# Altium PCB PCB1.PcbDoc (part 1 of 2)
Units mil, origin at the board's own origin, x right, y up, seen from the top; angles counter-clockwise.
Board outline 1320 x 1740 mil, 2 copper layers (Top Layer, Bottom Layer); 290 components, 29 nets, 1040 pads, 0 vias.
Unrouted connection lines stored in the file: 156.
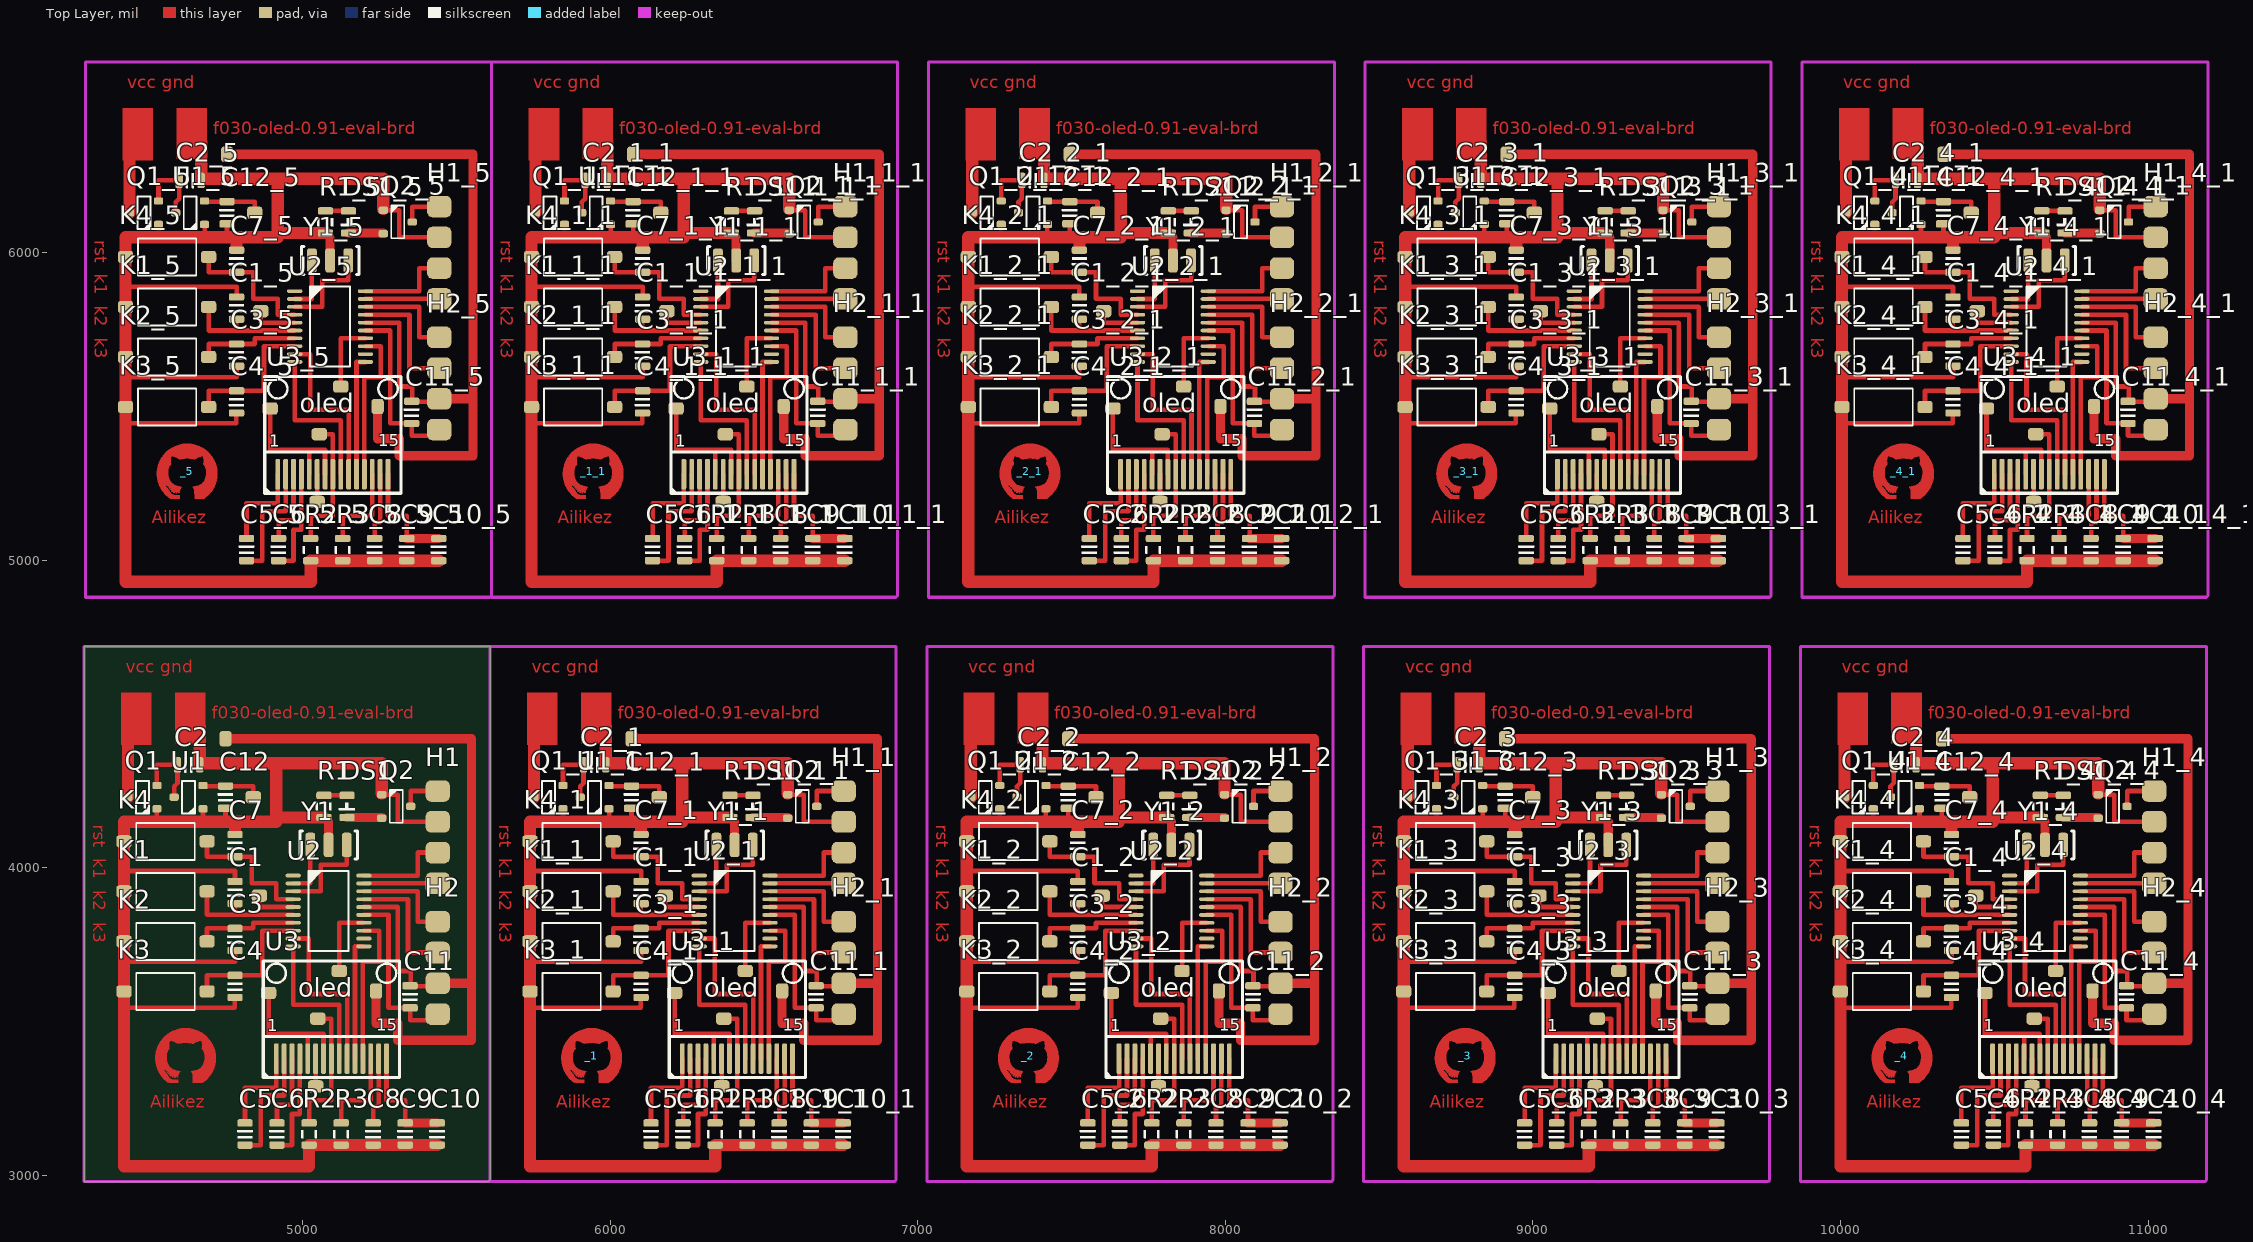
[diagram p0: Top Layer view]
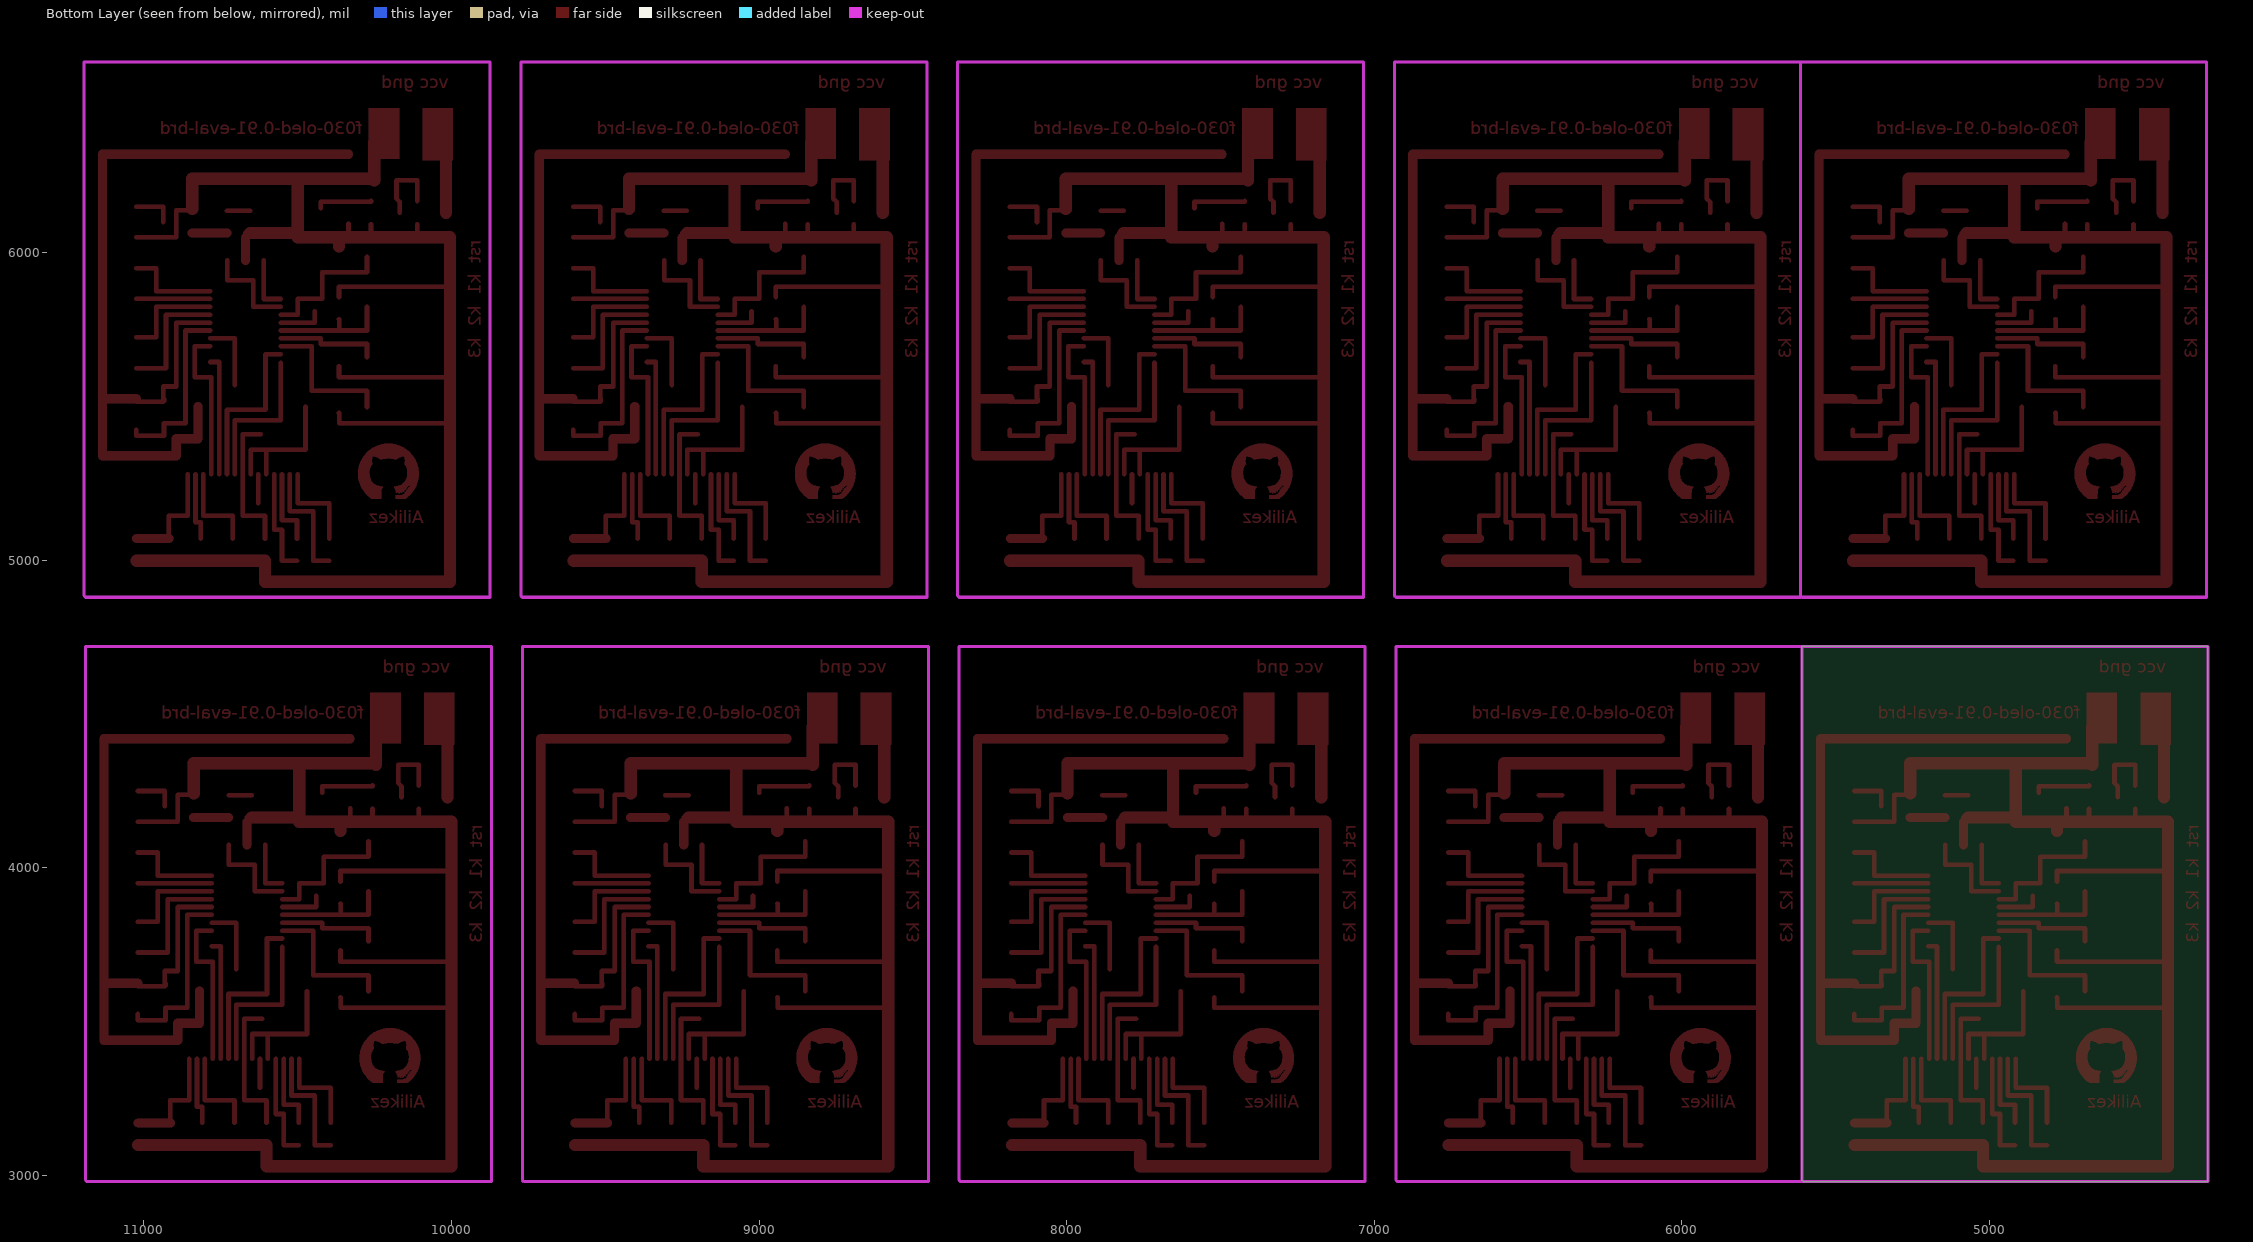
[diagram p1: Bottom Layer view, seen from below]

## Layer stack, top to bottom
Top Solder: solder mask 0.4, Solder Resist, Dk 3.5
Top Layer: signal copper 1.4
Dielectric 1: dielectric 12.6, FR-4, Dk 4.8
Bottom Layer: signal copper 1.4
Bottom Solder: solder mask 0.4, Solder Resist, Dk 3.5

## Board outline
4290,2980 5605,2980 5610,2985 5610,4720 4290,4720

## Design rules (kind name [scope] priority, off if disabled: settings)
Clearance [All] p1: gap=6 ignorepadtopadclearanceinfootprint=FALSE
ComponentClearance [All] p1: gap=0 collisioncheckmode=3 verticalgap=0 showdistances=FALSE
PolygonConnect [All] p1: connectstyle=Relief reliefconductorwidth=10 reliefentries=4 polygonreliefangle="90 Angle" airgapwidth=10
RoutingVias [All] p1: holewidth=28 width=50 viastyle="Through Hole" minholewidth=28 minwidth=50 maxholewidth=28 maxwidth=50
SolderMaskExpansion [All] p1: expansion=4
Width [All] p1: maxlimit=100 minlimit=6 preferedwidth=15
29 further rules are at their usual default settings.

## Components (designator, comment, footprint, x,y, rotation, side; value= is the part's Value field where it differs from the comment)
_1 "" IMAGE 5940,3390 r0 top
_1_1 "" IMAGE 5945,5290 r0 top
_2 "" IMAGE 7360,3390 r0 top
_2_1 "" IMAGE 7365,5290 r0 top
_3 "" IMAGE 8780,3390 r0 top
_3_1 "" IMAGE 8785,5290 r0 top
_4 "" IMAGE 10200,3390 r0 top
_4_1 "" IMAGE 10205,5290 r0 top
_5 "" IMAGE 4625,5290 r0 top
C1 "HDR2x10_2.54" CAP_0805 4781,3920 r90 top value=0.1uf
C1_1 "HDR2x10_2.54" CAP_0805 6101,3920 r90 top value=0.1uf (schematic designator C1)
C1_1_1 "HDR2x10_2.54" CAP_0805 6106,5820 r90 top value=0.1uf (schematic designator C1)
C1_2 "HDR2x10_2.54" CAP_0805 7521,3920 r90 top value=0.1uf (schematic designator C1)
C1_2_1 "HDR2x10_2.54" CAP_0805 7526,5820 r90 top value=0.1uf (schematic designator C1)
C1_3 "HDR2x10_2.54" CAP_0805 8941,3920 r90 top value=0.1uf (schematic designator C1)
C1_3_1 "HDR2x10_2.54" CAP_0805 8946,5820 r90 top value=0.1uf (schematic designator C1)
C1_4 "HDR2x10_2.54" CAP_0805 10361,3920 r90 top value=0.1uf (schematic designator C1)
C1_4_1 "HDR2x10_2.54" CAP_0805 10366,5820 r90 top value=0.1uf (schematic designator C1)
C1_5 "HDR2x10_2.54" CAP_0805 4786,5820 r90 top value=0.1uf (schematic designator C1)
C2 "HDR2x10_2.54" CAP_0805 4630,4335 r180 top value=0.1uf
C2_1 "HDR2x10_2.54" CAP_0805 5950,4335 r180 top value=0.1uf (schematic designator C2)
C2_1_1 "HDR2x10_2.54" CAP_0805 5955,6235 r180 top value=0.1uf (schematic designator C2)
C2_2 "HDR2x10_2.54" CAP_0805 7370,4335 r180 top value=0.1uf (schematic designator C2)
C2_2_1 "HDR2x10_2.54" CAP_0805 7375,6235 r180 top value=0.1uf (schematic designator C2)
C2_3 "HDR2x10_2.54" CAP_0805 8790,4335 r180 top value=0.1uf (schematic designator C2)
C2_3_1 "HDR2x10_2.54" CAP_0805 8795,6235 r180 top value=0.1uf (schematic designator C2)
C2_4 "HDR2x10_2.54" CAP_0805 10210,4335 r180 top value=0.1uf (schematic designator C2)
C2_4_1 "HDR2x10_2.54" CAP_0805 10215,6235 r180 top value=0.1uf (schematic designator C2)
C2_5 "HDR2x10_2.54" CAP_0805 4635,6235 r180 top value=0.1uf (schematic designator C2)
C3 "HDR2x10_2.54" CAP_0805 4781,3767.43 r270 top value=0.1uf
C3_1 "HDR2x10_2.54" CAP_0805 6101,3767.43 r270 top value=0.1uf (schematic designator C3)
C3_1_1 "HDR2x10_2.54" CAP_0805 6106,5667.43 r270 top value=0.1uf (schematic designator C3)
C3_2 "HDR2x10_2.54" CAP_0805 7521,3767.43 r270 top value=0.1uf (schematic designator C3)
C3_2_1 "HDR2x10_2.54" CAP_0805 7526,5667.43 r270 top value=0.1uf (schematic designator C3)
C3_3 "HDR2x10_2.54" CAP_0805 8941,3767.43 r270 top value=0.1uf (schematic designator C3)
C3_3_1 "HDR2x10_2.54" CAP_0805 8946,5667.43 r270 top value=0.1uf (schematic designator C3)
C3_4 "HDR2x10_2.54" CAP_0805 10361,3767.43 r270 top value=0.1uf (schematic designator C3)
C3_4_1 "HDR2x10_2.54" CAP_0805 10366,5667.43 r270 top value=0.1uf (schematic designator C3)
C3_5 "HDR2x10_2.54" CAP_0805 4786,5667.43 r270 top value=0.1uf (schematic designator C3)
C4 "HDR2x10_2.54" CAP_0805 4781,3614.86 r270 top value=0.1uf
C4_1 "HDR2x10_2.54" CAP_0805 6101,3614.86 r270 top value=0.1uf (schematic designator C4)
C4_1_1 "HDR2x10_2.54" CAP_0805 6106,5514.86 r270 top value=0.1uf (schematic designator C4)
C4_2 "HDR2x10_2.54" CAP_0805 7521,3614.86 r270 top value=0.1uf (schematic designator C4)
C4_2_1 "HDR2x10_2.54" CAP_0805 7526,5514.86 r270 top value=0.1uf (schematic designator C4)
C4_3 "HDR2x10_2.54" CAP_0805 8941,3614.86 r270 top value=0.1uf (schematic designator C4)
C4_3_1 "HDR2x10_2.54" CAP_0805 8946,5514.86 r270 top value=0.1uf (schematic designator C4)
C4_4 "HDR2x10_2.54" CAP_0805 10361,3614.86 r270 top value=0.1uf (schematic designator C4)
C4_4_1 "HDR2x10_2.54" CAP_0805 10366,5514.86 r270 top value=0.1uf (schematic designator C4)
C4_5 "HDR2x10_2.54" CAP_0805 4786,5514.86 r270 top value=0.1uf (schematic designator C4)
C5 "HDR2x10_2.54" CAP_0805 4813.33,3135 r270 top value=1uf
C5_1 "HDR2x10_2.54" CAP_0805 6133.33,3135 r270 top value=1uf (schematic designator C5)
C5_1_1 "HDR2x10_2.54" CAP_0805 6138.33,5035 r270 top value=1uf (schematic designator C5)
C5_2 "HDR2x10_2.54" CAP_0805 7553.33,3135 r270 top value=1uf (schematic designator C5)
C5_2_1 "HDR2x10_2.54" CAP_0805 7558.33,5035 r270 top value=1uf (schematic designator C5)
C5_3 "HDR2x10_2.54" CAP_0805 8973.33,3135 r270 top value=1uf (schematic designator C5)
C5_3_1 "HDR2x10_2.54" CAP_0805 8978.33,5035 r270 top value=1uf (schematic designator C5)
C5_4 "HDR2x10_2.54" CAP_0805 10393.33,3135 r270 top value=1uf (schematic designator C5)
C5_4_1 "HDR2x10_2.54" CAP_0805 10398.33,5035 r270 top value=1uf (schematic designator C5)
C5_5 "HDR2x10_2.54" CAP_0805 4818.33,5035 r270 top value=1uf (schematic designator C5)
C6 "HDR2x10_2.54" CAP_0805 4917.5,3135 r270 top value=1uf
C6_1 "HDR2x10_2.54" CAP_0805 6237.5,3135 r270 top value=1uf (schematic designator C6)
C6_1_1 "HDR2x10_2.54" CAP_0805 6242.5,5035 r270 top value=1uf (schematic designator C6)
C6_2 "HDR2x10_2.54" CAP_0805 7657.5,3135 r270 top value=1uf (schematic designator C6)
C6_2_1 "HDR2x10_2.54" CAP_0805 7662.5,5035 r270 top value=1uf (schematic designator C6)
C6_3 "HDR2x10_2.54" CAP_0805 9077.5,3135 r270 top value=1uf (schematic designator C6)
C6_3_1 "HDR2x10_2.54" CAP_0805 9082.5,5035 r270 top value=1uf (schematic designator C6)
C6_4 "HDR2x10_2.54" CAP_0805 10497.5,3135 r270 top value=1uf (schematic designator C6)
C6_4_1 "HDR2x10_2.54" CAP_0805 10502.5,5035 r270 top value=1uf (schematic designator C6)
C6_5 "HDR2x10_2.54" CAP_0805 4922.5,5035 r270 top value=1uf (schematic designator C6)
C7 "HDR2x10_2.54" CAP_0805 4781,4072.57 r90 top value=0.1uf
C7_1 "HDR2x10_2.54" CAP_0805 6101,4072.57 r90 top value=0.1uf (schematic designator C7)
C7_1_1 "HDR2x10_2.54" CAP_0805 6106,5972.57 r90 top value=0.1uf (schematic designator C7)
C7_2 "HDR2x10_2.54" CAP_0805 7521,4072.57 r90 top value=0.1uf (schematic designator C7)
C7_2_1 "HDR2x10_2.54" CAP_0805 7526,5972.57 r90 top value=0.1uf (schematic designator C7)
C7_3 "HDR2x10_2.54" CAP_0805 8941,4072.57 r90 top value=0.1uf (schematic designator C7)
C7_3_1 "HDR2x10_2.54" CAP_0805 8946,5972.57 r90 top value=0.1uf (schematic designator C7)
C7_4 "HDR2x10_2.54" CAP_0805 10361,4072.57 r90 top value=0.1uf (schematic designator C7)
C7_4_1 "HDR2x10_2.54" CAP_0805 10366,5972.57 r90 top value=0.1uf (schematic designator C7)
C7_5 "HDR2x10_2.54" CAP_0805 4786,5972.57 r90 top value=0.1uf (schematic designator C7)
C8 "HDR2x10_2.54" CAP_0805 5230,3135 r270 top value=2.2uf
C8_1 "HDR2x10_2.54" CAP_0805 6550,3135 r270 top value=2.2uf (schematic designator C8)
C8_1_1 "HDR2x10_2.54" CAP_0805 6555,5035 r270 top value=2.2uf (schematic designator C8)
C8_2 "HDR2x10_2.54" CAP_0805 7970,3135 r270 top value=2.2uf (schematic designator C8)
C8_2_1 "HDR2x10_2.54" CAP_0805 7975,5035 r270 top value=2.2uf (schematic designator C8)
C8_3 "HDR2x10_2.54" CAP_0805 9390,3135 r270 top value=2.2uf (schematic designator C8)
C8_3_1 "HDR2x10_2.54" CAP_0805 9395,5035 r270 top value=2.2uf (schematic designator C8)
C8_4 "HDR2x10_2.54" CAP_0805 10810,3135 r270 top value=2.2uf (schematic designator C8)
C8_4_1 "HDR2x10_2.54" CAP_0805 10815,5035 r270 top value=2.2uf (schematic designator C8)
C8_5 "HDR2x10_2.54" CAP_0805 5235,5035 r270 top value=2.2uf (schematic designator C8)
C9 "HDR2x10_2.54" CAP_0805 5334.17,3135 r270 top value=4.7uf
C9_1 "HDR2x10_2.54" CAP_0805 6654.17,3135 r270 top value=4.7uf (schematic designator C9)
C9_1_1 "HDR2x10_2.54" CAP_0805 6659.17,5035 r270 top value=4.7uf (schematic designator C9)
C9_2 "HDR2x10_2.54" CAP_0805 8074.17,3135 r270 top value=4.7uf (schematic designator C9)
C9_2_1 "HDR2x10_2.54" CAP_0805 8079.17,5035 r270 top value=4.7uf (schematic designator C9)
C9_3 "HDR2x10_2.54" CAP_0805 9494.17,3135 r270 top value=4.7uf (schematic designator C9)
C9_3_1 "HDR2x10_2.54" CAP_0805 9499.17,5035 r270 top value=4.7uf (schematic designator C9)
C9_4 "HDR2x10_2.54" CAP_0805 10914.17,3135 r270 top value=4.7uf (schematic designator C9)
C9_4_1 "HDR2x10_2.54" CAP_0805 10919.17,5035 r270 top value=4.7uf (schematic designator C9)
C9_5 "HDR2x10_2.54" CAP_0805 5339.17,5035 r270 top value=4.7uf (schematic designator C9)
C10 "HDR2x10_2.54" CAP_0805 5438.33,3135 r270 top value=0.1uf
C10_1 "HDR2x10_2.54" CAP_0805 6758.33,3135 r270 top value=0.1uf (schematic designator C10)
C10_1_1 "HDR2x10_2.54" CAP_0805 6763.33,5035 r270 top value=0.1uf (schematic designator C10)
C10_2 "HDR2x10_2.54" CAP_0805 8178.33,3135 r270 top value=0.1uf (schematic designator C10)
C10_2_1 "HDR2x10_2.54" CAP_0805 8183.33,5035 r270 top value=0.1uf (schematic designator C10)
C10_3 "HDR2x10_2.54" CAP_0805 9598.33,3135 r270 top value=0.1uf (schematic designator C10)
C10_3_1 "HDR2x10_2.54" CAP_0805 9603.33,5035 r270 top value=0.1uf (schematic designator C10)
C10_4 "HDR2x10_2.54" CAP_0805 11018.33,3135 r270 top value=0.1uf (schematic designator C10)
C10_4_1 "HDR2x10_2.54" CAP_0805 11023.33,5035 r270 top value=0.1uf (schematic designator C10)
C10_5 "HDR2x10_2.54" CAP_0805 5443.33,5035 r270 top value=0.1uf (schematic designator C10)
C11 "HDR2x10_2.54" CAP_0805 5350,3581 r90 top value=0.1uf (schematic designator C2)
C11_1 "HDR2x10_2.54" CAP_0805 6670,3581 r90 top value=0.1uf (schematic designator C2)
C11_1_1 "HDR2x10_2.54" CAP_0805 6675,5481 r90 top value=0.1uf (schematic designator C2)
C11_2 "HDR2x10_2.54" CAP_0805 8090,3581 r90 top value=0.1uf (schematic designator C2)
C11_2_1 "HDR2x10_2.54" CAP_0805 8095,5481 r90 top value=0.1uf (schematic designator C2)
C11_3 "HDR2x10_2.54" CAP_0805 9510,3581 r90 top value=0.1uf (schematic designator C2)
C11_3_1 "HDR2x10_2.54" CAP_0805 9515,5481 r90 top value=0.1uf (schematic designator C2)
C11_4 "HDR2x10_2.54" CAP_0805 10930,3581 r90 top value=0.1uf (schematic designator C2)
C11_4_1 "HDR2x10_2.54" CAP_0805 10935,5481 r90 top value=0.1uf (schematic designator C2)
C11_5 "HDR2x10_2.54" CAP_0805 5355,5481 r90 top value=0.1uf (schematic designator C2)
C12 "HDR2x10_2.54" CAP_0805 4750,4230 r90 top value=0.1uf (schematic designator C2)
C12_1 "HDR2x10_2.54" CAP_0805 6070,4230 r90 top value=0.1uf (schematic designator C2)
C12_1_1 "HDR2x10_2.54" CAP_0805 6075,6130 r90 top value=0.1uf (schematic designator C2)
C12_2 "HDR2x10_2.54" CAP_0805 7490,4230 r90 top value=0.1uf (schematic designator C2)
C12_2_1 "HDR2x10_2.54" CAP_0805 7495,6130 r90 top value=0.1uf (schematic designator C2)
C12_3 "HDR2x10_2.54" CAP_0805 8910,4230 r90 top value=0.1uf (schematic designator C2)
C12_3_1 "HDR2x10_2.54" CAP_0805 8915,6130 r90 top value=0.1uf (schematic designator C2)
C12_4 "HDR2x10_2.54" CAP_0805 10330,4230 r90 top value=0.1uf (schematic designator C2)
C12_4_1 "HDR2x10_2.54" CAP_0805 10335,6130 r90 top value=0.1uf (schematic designator C2)
C12_5 "HDR2x10_2.54" CAP_0805 4755,6130 r90 top value=0.1uf (schematic designator C2)
DS1 "HDR2x10_2.54" LED_0805_RED 5145,4200 r90 top value=color?
DS1_1 "HDR2x10_2.54" LED_0805_RED 6465,4200 r90 top value=color? (schematic designator DS1)
DS1_1_1 "HDR2x10_2.54" LED_0805_RED 6470,6100 r90 top value=color? (schematic designator DS1)
DS1_2 "HDR2x10_2.54" LED_0805_RED 7885,4200 r90 top value=color? (schematic designator DS1)
DS1_2_1 "HDR2x10_2.54" LED_0805_RED 7890,6100 r90 top value=color? (schematic designator DS1)
DS1_3 "HDR2x10_2.54" LED_0805_RED 9305,4200 r90 top value=color? (schematic designator DS1)
DS1_3_1 "HDR2x10_2.54" LED_0805_RED 9310,6100 r90 top value=color? (schematic designator DS1)
DS1_4 "HDR2x10_2.54" LED_0805_RED 10725,4200 r90 top value=color? (schematic designator DS1)
DS1_4_1 "HDR2x10_2.54" LED_0805_RED 10730,6100 r90 top value=color? (schematic designator DS1)
DS1_5 "HDR2x10_2.54" LED_0805_RED 5150,6100 r90 top value=color? (schematic designator DS1)
H1 "HDR2x10_2.54" HDR1x4_2.54_180 5440,3950 r180 top
H1_1 "HDR2x10_2.54" HDR1x4_2.54_180 6760,3950 r180 top (schematic designator H1)
H1_1_1 "HDR2x10_2.54" HDR1x4_2.54_180 6765,5850 r180 top (schematic designator H1)
H1_2 "HDR2x10_2.54" HDR1x4_2.54_180 8180,3950 r180 top (schematic designator H1)
H1_2_1 "HDR2x10_2.54" HDR1x4_2.54_180 8185,5850 r180 top (schematic designator H1)
H1_3 "HDR2x10_2.54" HDR1x4_2.54_180 9600,3950 r180 top (schematic designator H1)
H1_3_1 "HDR2x10_2.54" HDR1x4_2.54_180 9605,5850 r180 top (schematic designator H1)
H1_4 "HDR2x10_2.54" HDR1x4_2.54_180 11020,3950 r180 top (schematic designator H1)
H1_4_1 "HDR2x10_2.54" HDR1x4_2.54_180 11025,5850 r180 top (schematic designator H1)
H1_5 "HDR2x10_2.54" HDR1x4_2.54_180 5445,5850 r180 top (schematic designator H1)
H2 "HDR2x10_2.54" HDR1x4_2.54_180 5440,3825 r0 top
H2_1 "HDR2x10_2.54" HDR1x4_2.54_180 6760,3825 r0 top (schematic designator H2)
H2_1_1 "HDR2x10_2.54" HDR1x4_2.54_180 6765,5725 r0 top (schematic designator H2)
H2_2 "HDR2x10_2.54" HDR1x4_2.54_180 8180,3825 r0 top (schematic designator H2)
H2_2_1 "HDR2x10_2.54" HDR1x4_2.54_180 8185,5725 r0 top (schematic designator H2)
H2_3 "HDR2x10_2.54" HDR1x4_2.54_180 9600,3825 r0 top (schematic designator H2)
H2_3_1 "HDR2x10_2.54" HDR1x4_2.54_180 9605,5725 r0 top (schematic designator H2)
H2_4 "HDR2x10_2.54" HDR1x4_2.54_180 11020,3825 r0 top (schematic designator H2)
H2_4_1 "HDR2x10_2.54" HDR1x4_2.54_180 11025,5725 r0 top (schematic designator H2)
H2_5 "HDR2x10_2.54" HDR1x4_2.54_180 5445,5725 r0 top (schematic designator H2)
K1 "HDR2x10_2.54" ButtonTACT_3x6x2.5_180 4555,3923.71 r180 top value=3x6
K1_1 "HDR2x10_2.54" ButtonTACT_3x6x2.5_180 5875,3923.71 r180 top value=3x6 (schematic designator K1)
K1_1_1 "HDR2x10_2.54" ButtonTACT_3x6x2.5_180 5880,5823.71 r180 top value=3x6 (schematic designator K1)
K1_2 "HDR2x10_2.54" ButtonTACT_3x6x2.5_180 7295,3923.71 r180 top value=3x6 (schematic designator K1)
K1_2_1 "HDR2x10_2.54" ButtonTACT_3x6x2.5_180 7300,5823.71 r180 top value=3x6 (schematic designator K1)
K1_3 "HDR2x10_2.54" ButtonTACT_3x6x2.5_180 8715,3923.71 r180 top value=3x6 (schematic designator K1)
K1_3_1 "HDR2x10_2.54" ButtonTACT_3x6x2.5_180 8720,5823.71 r180 top value=3x6 (schematic designator K1)
K1_4 "HDR2x10_2.54" ButtonTACT_3x6x2.5_180 10135,3923.71 r180 top value=3x6 (schematic designator K1)
K1_4_1 "HDR2x10_2.54" ButtonTACT_3x6x2.5_180 10140,5823.71 r180 top value=3x6 (schematic designator K1)
K1_5 "HDR2x10_2.54" ButtonTACT_3x6x2.5_180 4560,5823.71 r180 top value=3x6 (schematic designator K1)
K2 "HDR2x10_2.54" ButtonTACT_3x6x2.5_180 4555,3761.14 r180 top value=3x6
K2_1 "HDR2x10_2.54" ButtonTACT_3x6x2.5_180 5875,3761.14 r180 top value=3x6 (schematic designator K2)
K2_1_1 "HDR2x10_2.54" ButtonTACT_3x6x2.5_180 5880,5661.14 r180 top value=3x6 (schematic designator K2)
K2_2 "HDR2x10_2.54" ButtonTACT_3x6x2.5_180 7295,3761.14 r180 top value=3x6 (schematic designator K2)
K2_2_1 "HDR2x10_2.54" ButtonTACT_3x6x2.5_180 7300,5661.14 r180 top value=3x6 (schematic designator K2)
K2_3 "HDR2x10_2.54" ButtonTACT_3x6x2.5_180 8715,3761.14 r180 top value=3x6 (schematic designator K2)
K2_3_1 "HDR2x10_2.54" ButtonTACT_3x6x2.5_180 8720,5661.14 r180 top value=3x6 (schematic designator K2)
K2_4 "HDR2x10_2.54" ButtonTACT_3x6x2.5_180 10135,3761.14 r180 top value=3x6 (schematic designator K2)